# Altium PCB Main.PcbDoc (part 6 of 7) (continued)
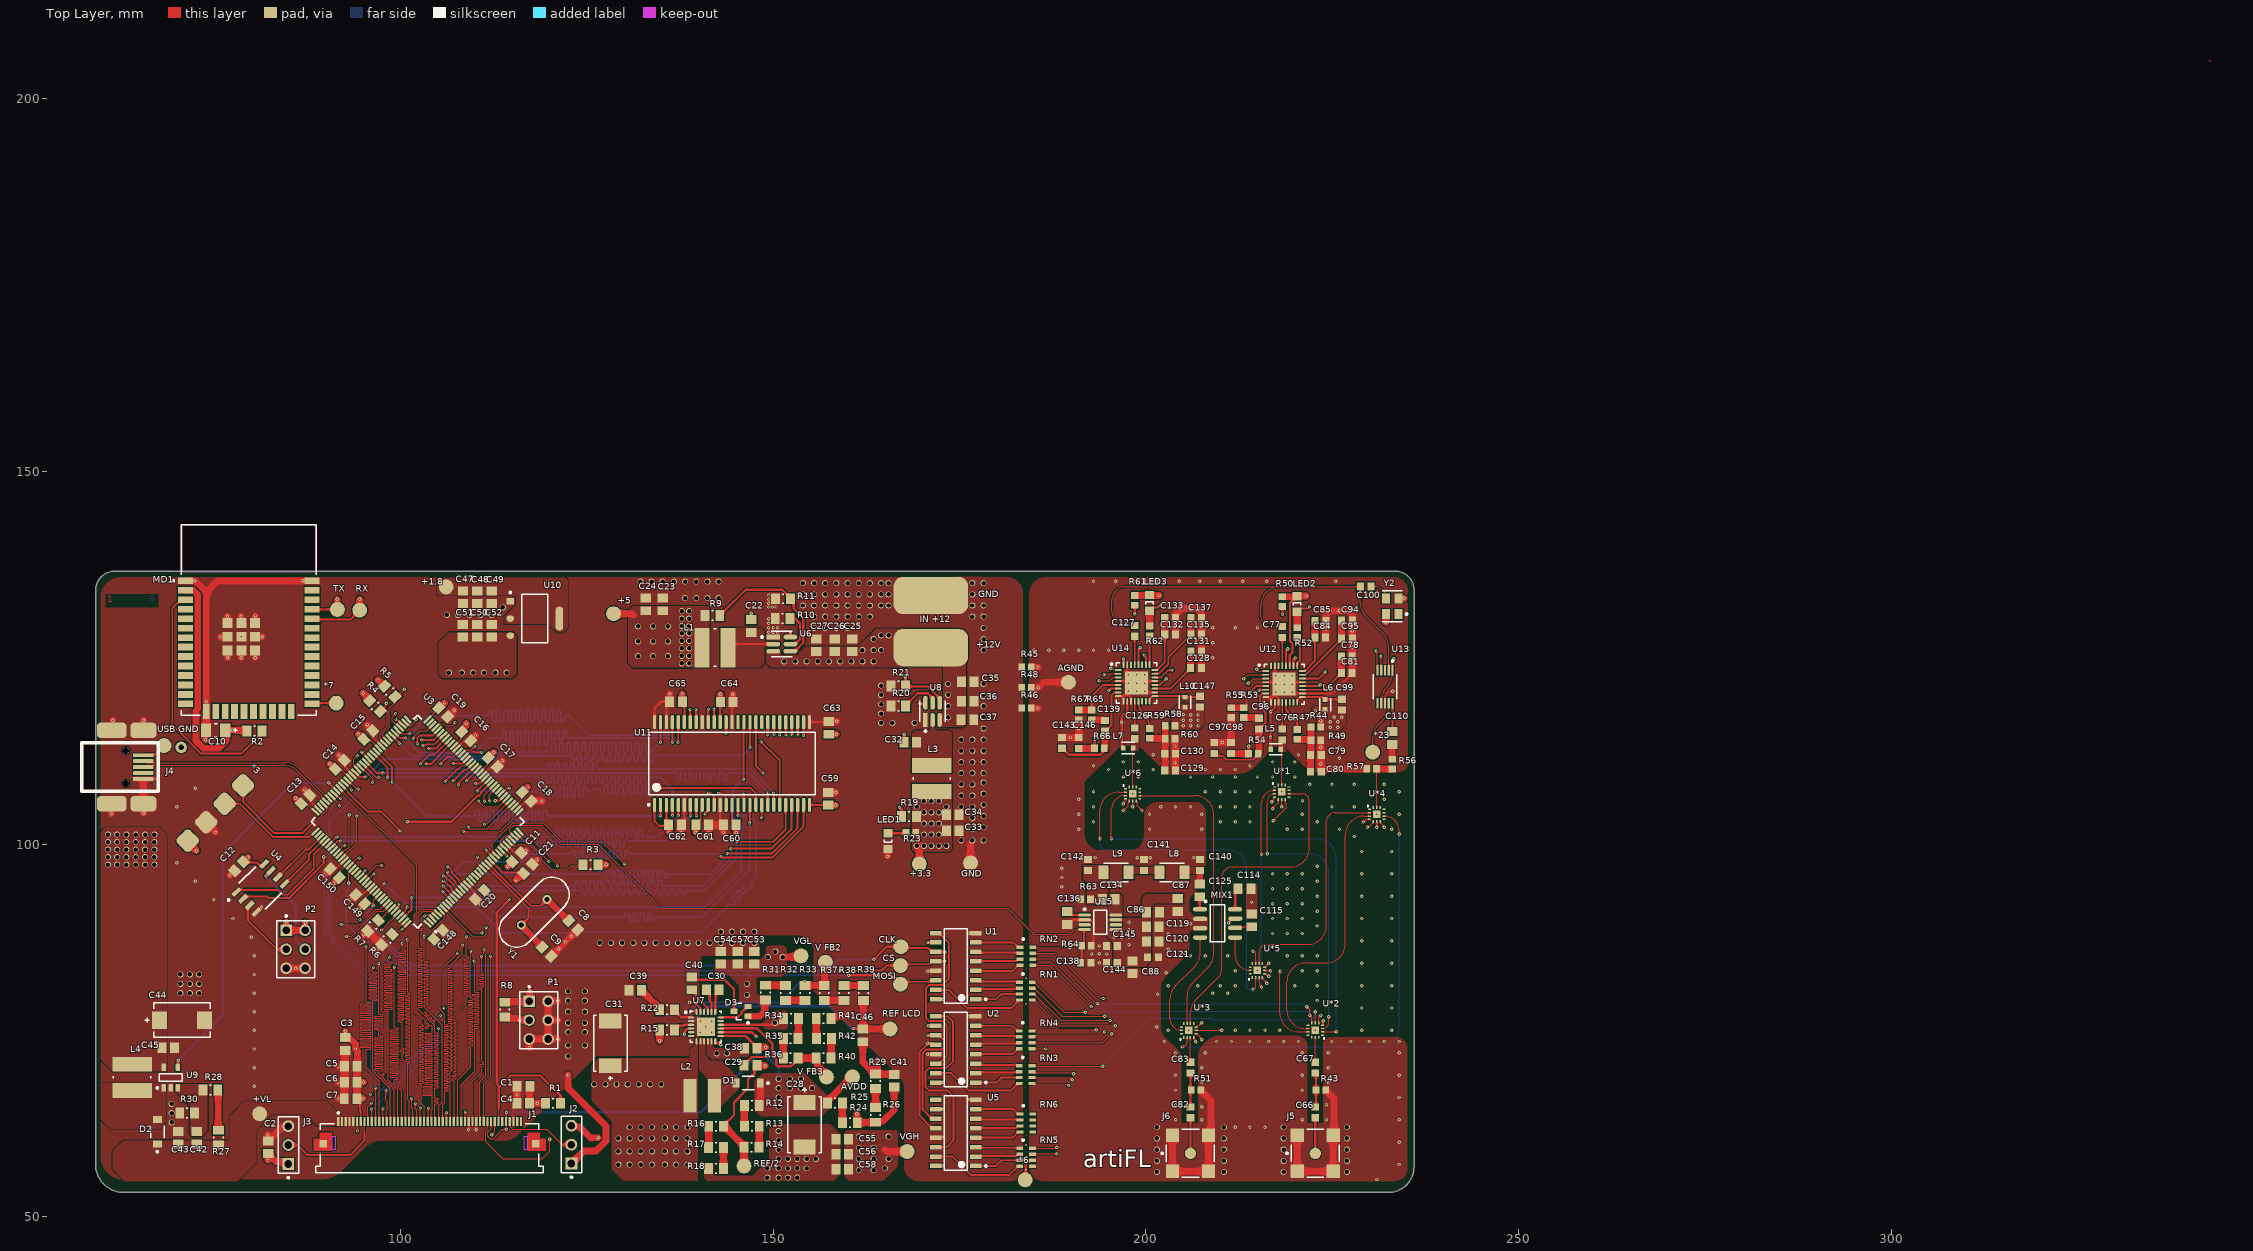
[diagram p0: Top Layer view]
## Nets (pads, with @x,y where several pads share a name; then routed paths per layer and width w, separated by ;. In a path a pad name is that pad's centre, name@x,y a point inside that pad or via, vN(x,y) a via of type N, cw(c..) or ccw(c..) an arc to the next point about the centre after c; other vN are vias at no path point) (continued)
SW_REF: R53.2 R55.1 U12.5 | length 6.6
  Top Layer w0.254: R53.2@213.146,118.277 213.196,118.277 213.519,118.6 213.519,119.807 214.92,121.208 215.794,121.208 215.8,121.202 U12.5@216.121,121.202
  Top Layer w0.9: R55.1@211.446,118.277 213.096,118.277 R53.2@213.146,118.277
SW_REF1: RN4.5 U*1.7 | length 64.4
  Top Layer w0.127: RN4.5@184.75,72.52 184.77,72.5 v1(186.6,72.5) ; v1(217.117,103.1) 218.863,104.846 218.863,105.293 218.7,105.456 U*1.7@218.7,106
  Signal 1 w0.127: v1(186.6,72.5) 186.973,72.873 186.973,97.715 189.018,99.759 215.601,99.759 217.117,101.276 v1(217.117,103.1)
SW_REF2: RN5.8 U*1.6 | length 78.4
  Top Layer w0.127: RN5.8@184.8,59.17 187.92,59.17 v1(188.05,59.3) ; v1(218.25,105) U*1.6@218.25,106
  Signal 1 w0.127: v1(188.05,59.3) 187.634,59.716 187.634,97.593 189.247,99.205 215.83,99.205 218.25,101.625 v1(218.25,105)
SW_REF3: RN5.7 U*1.5 | length 80.1
  Top Layer w0.127: RN5.7@184.8,58.37 184.855,58.425 v1(188.025,58.425) ; v1(217,104.75) 217.8,105.55 U*1.5@217.8,106
  Signal 1 w0.127: v1(188.025,58.425) 187.25,59.2 187.25,97.6 189.132,99.482 215.716,99.482 217.875,101.642 217.875,103.875 v1(217,104.75)
SW_RF1: RN1.5 U*3.7 | length 25.4
  Top Layer w0.127: RN1.5@184.775,79.07 184.82,79.025 184.92,79.125 188.42,75.625 v1(195.925,75.625) ; U*3.7@206.75,75.45 206.848,75.45 207.104,75.706 207.206,75.706 v1(207.5,76)
  Signal 1 w0.127: v1(195.925,75.625) 200.125,75.625 200.542,76.042 207.457,76.042 v1(207.5,76)
SW_RF2: RN2.8 U*3.6 | length 34.8
  Top Layer w0.127: RN2.8@184.825,86.145 184.864,86.106 v1(189.819,86.106) ; U*3.6@206.75,75 206.762,75.013 210.188,75.013 v1(210.2,75.025)
  Signal 1 w0.127: v1(189.819,86.106) 189.819,85.206 192.9,82.125 204.525,82.125 210.2,76.45 v1(210.2,75.025)
SW_RF3: RN2.7 U*3.5 | length 31.9
  Top Layer w0.127: RN2.7@184.825,85.345 187.83,85.345 193.9,79.275 v1(194.313,79.275) ; U*3.5@206.75,74.55 206.848,74.55 207.438,73.959 207.438,73.812 v1(207.5,73.75)
  Signal 1 w0.127: v1(194.313,79.275) 205.925,79.275 208.675,76.525 208.675,74.925 v1(207.5,73.75)
SW_SI1: RN4.8 U*4.7 | length 79.6
  Top Layer w0.127: RN4.8@184.75,74.92 184.905,75.075 v1(193.375,75.075) ; U*4.7@231.45,103 231.45,102.902 231.706,102.646 231.706,102.544 v1(232,102.25)
  Signal 1 w0.127: v1(193.375,75.075) 193.375,74.908 197.585,70.698 228.357,70.698 232,74.341 v1(232,102.25)
SW_SI2: RN4.7 U*4.6 | length 78.6
  Top Layer w0.127: RN4.7@184.75,74.12 184.911,74.281 193.957,74.281 v1(194.475,74.8) ; v1(231,102.25) U*4.6@231,103
  Signal 1 w0.127: v1(194.475,74.8) 194.475,74.758 198.258,70.975 228.242,70.975 231,73.733 v1(231,102.25)
SW_SI3: RN4.6 U*4.5 | length 77.4
  Top Layer w0.127: RN4.6@184.75,73.32 194.22,73.32 v1(195.45,74.55) ; v1(229.75,102.25) 229.812,102.312 229.959,102.312 230.55,102.902 U*4.5@230.55,103
  Signal 1 w0.127: v1(195.45,74.55) 198.748,71.252 226.977,71.252 229.75,74.025 v1(229.75,102.25)
SWCLK: *3.3 U3.109 | length 14.4
  Top Layer w0.127: 87.75,100.925 88.499,101.674 U3.109@88.625,101.674
  Top Layer w0.254: *3.3@76.425,105.4 78.45,105.4 82.925,100.925 87.75,100.925
SWDIO: *3.4 U3.105 | length 17.5
  Top Layer w0.127: 88.425,103.075 88.701,103.075 90.196,104.57 90.196,104.789 89.685,105.3 U3.105@89.685,105.386
  Top Layer w0.254: *3.4@78.9,107.875 78.9,105.675 83.1,101.475 86.825,101.475 88.425,103.075
SWITCH_SHIFT: CS.1 U1.12 U2.12 U3.88 U5.12 | length 137.6
  Top Layer w0.127: v1(94.8,112.35) 94.8,112.321 95.607,111.515 U3.88@95.665,111.515
  Top Layer w0.254: CS.1@167.1,83.695 167.275,83.87 170.945,83.87 171.325,84.25 U1.12@171.8,84.25 171.81,84.26 173.015,84.26 v1(173.025,84.27) ; U5.12@171.8,61.885 171.325,61.885 169.667,63.543 169.667,72.115 170.75,73.198 v1(170.75,73.25) 171.47,73.25 171.72,73 U2.12@171.8,73.08
  Top Layer w0.305: v1(159,83) 159.025,83.025 164.599,83.025 165.268,83.695 CS.1@167.1,83.695
  Signal 1 w0.254: v1(94.58,89.879) 94.58,89.895 88.975,95.5 88.975,104.525 95.225,110.775 95.225,111.925 v1(94.8,112.35) ; v1(170.75,73.25) 170.75,73.255 169.725,74.28 169.725,79.195 173.025,82.495 v1(173.025,84.27)
  Bottom Layer w0.254: v1(94.58,89.879) 101.459,83 v1(159,83)
TX_ESP32: MD1.35 TX.1 U3.137 | length 60.9
  Top Layer w0.127: v1(92.75,87.6) 93.477,87.6 96.835,90.958 97.707,90.958 U3.137@98.524,91.775
  Top Layer w0.254: MD1.35@88.165,131.5 88.19,131.475 TX.1@91.55,131.475
  Top Layer w0.9: TX.1@91.55,131.475 v1(91.55,132.825)
  Signal 1 w0.35: v1(91.55,132.825) 91.55,117.45 88.023,113.923 88.023,92.302 92.725,87.6 v1(92.75,87.6)
USB_D_N: J4.2 U3.103 | length 26.8
  Top Layer w0.127: J4.2@65.5,111.125 ccw(c65.968,111.593) 65.968,110.931 84.429,110.931 cw(c84.429,108.213) 86.351,110.135 U3.103@90.393,106.094
USB_D_P: J4.3 U3.104 | length 26.6
  Top Layer w0.127: J4.3@65.5,110.325 cw(c66.043,109.782) 66.043,110.55 84.349,110.55 cw(c84.349,107.893) 86.228,109.772 89.387,106.613 cw(c89.173,106.4) 89.475,106.4 ccw(c89.707,106.4) 89.543,106.236 U3.104@90.039,105.74
V_COM: C41.2 R24.2 R26.2 U7.14 | length 32.8
  Top Layer w0.305: U7.14@142.975,74.75 147.175,74.75 v1(147.75,74.175)
  Top Layer w0.9: v1(161.25,63.8) 161.25,62.65 R24.2@161.3,62.6 161.338,62.637 163.712,62.637 R26.2@163.75,62.675 163.9,62.825 164.75,62.825 166.275,64.35 C41.2@166.275,67.375
  Signal 1 w0.35: v1(147.75,74.175) 150.656,74.175 161.031,63.8 v1(161.25,63.8)
V_FB2: "V FB2.1" R33.1 R37.2 U7.24 | length 24.1
  Top Layer w0.305: v1(138.925,77.575) 139.65,77.575 U7.24@139.75,77.475 ; v1(154.25,81.5) 154.25,81.05 R33.1@154.275,81.025
  Top Layer w0.9: R33.1@154.275,81.025 R37.2@156.875,81.025 156.95,81.1 156.95,84.075 157.025,84.15
  Bottom Layer w0.305: v1(138.925,77.575) 140.1,78.75 150.9,78.75 153.65,81.5 v1(154.25,81.5)
V_FB3: "V FB3.1" R36.1 R40.2 U7.15 | length 19.9
  Top Layer w0.305: U7.15@142.975,75.25 142.983,75.258 143.464,75.258 143.481,75.275 147.85,75.275 149.881,73.244 149.881,71.669 150.423,71.127 150.423,70.404 150.629,70.198 152.423,70.198 153.375,71.15 R36.1@153.375,71.275
  Top Layer w0.9: R36.1@153.497,71.153 153.497,71.247 153.525,71.275 R40.2@155.8,71.275 155.95,71.125 155.95,70.273 157.175,69.048 157.175,68.75
VCOM_LCD: C38.2 J1.6 J1.46 U7.13 | length 68.8
  Top Layer w0.127: J1.6@94.175,62.775 94.212,62.737 94.212,61.537 v1(94.25,61.5) ; J1.46@114.175,62.775 114.213,62.812 114.213,63.963 v1(114.25,64)
  Top Layer w0.305: U7.13@142.975,74.25 146.3,74.25 147.875,72.675 C38.2@147.875,72.6
  Top Layer w0.9: C38.2@147.875,72.575 147.875,72.6 148.025,72.75 v1(149,72.75)
  Signal 1 w0.127: v1(94.25,61.5) 101.669,61.5 103.169,63 110.5,63 111.5,64 v1(114.25,64)
  Bottom Layer w0.35: v1(114.25,64) 140.25,64 v1(149,72.75)
VGH_LCD: C55.2 C56.2 C58.2 J1.41 R34.2 U7.16 VGH.1 | length 26.4
  Top Layer w0.127: J1.41@111.675,62.775 111.675,61.676 111.43,61.431 111.43,60.07 113.75,57.75 119.025,57.75 120.05,58.775 v1(120.05,60.375)
  Top Layer w0.305: U7.16@142.975,75.75 150.675,75.75 151.4,76.475 R34.2@151.4,76.6
  Top Layer w0.9: 165,59 165.25,58.75 VGH.1@168,58.75
  other v2: 161.5,56.25 163.5,56.25 165,56.5 161.5,57.75 163.5,57.75 165.5,57.75 161.5,59.25 163.5,59.25 161.5,60.75 163.5,60.75 165.5,60.75 150.25,76
VGL_LCD: C53.2 C54.2 C57.2 D3.1 J1.42 R31.2 VGL.1 | length 12
  Top Layer w0.127: J1.42@112.175,62.775 112.175,61.784 111.707,61.316 111.707,60.775 112.025,60.457 112.475,60.457 113.5,61.483 113.5,61.5 113.75,61.75 v1(114.25,61.75)
  Top Layer w0.9: D3.1@146.65,76.9 148.25,76.9 148.875,77.525 148.875,78.95 R31.2@148.975,79.05 ; v2(151.275,84.825) 153.575,84.825 VGL.1@153.75,85
  other v2: 146.5,79.75 146.5,81.25 149.3,84.825 150.325,85.575
VTUNE_HET: C146.2 R66.2 U14.20 | length 20.8
  Top Layer w0.254: R66.2@193.123,112.826 193.123,113.951 v1(193.198,114.026) ; U14.20@201.223,121.351 201.225,121.353 201.907,121.353 v1(202.735,122.181)
  Top Layer w0.9: C146.2@191.023,112.826 R66.2@193.123,112.826
  Signal 1 w0.254: v1(193.198,114.026) 193.198,115.526 195.273,117.601 201.273,117.601 202.735,119.063 v1(202.735,122.181)
VTUNE_REF: C98.2 R54.2 U12.20 | length 20.6
  Top Layer w0.254: R54.2@213.796,112.127 213.821,112.152 v1(213.821,113.102) ; U12.20@221.021,121.202 223.246,121.202 v1(223.421,121.377)
  Top Layer w0.9: C98.2@211.446,112.152 211.471,112.127 211.996,112.127 R54.2@213.796,112.127
  Signal 1 w0.254: v1(213.821,113.102) 213.821,115.227 215.496,116.902 219.896,116.902 222.109,119.115 223.396,120.402 223.396,121.352 v1(223.421,121.377)
VVCO1: C147.1 L10.1 U14.16 U14.17 | length 7.3
  Top Layer w0.254: U14.16@200.523,119.151 200.523,119.472 200.9,119.849 201.221,119.849 U14.17@201.223,119.851 U14.17@201.223,119.851 205.125,119.849 L10.1@205.273,119.701 207.148,119.701 C147.1@207.273,119.826
VVCO2: C99.1 L6.1 U12.16 U12.17 | length 6.6
  Top Layer w0.254: U12.16@220.321,119.002 220.321,119.323 220.7,119.702 U12.17@221.021,119.702 223.721,119.702 224.046,119.377 L6.1@224.071,119.377
  Top Layer w0.305: L6.1@224.071,119.377 226.271,119.377 C99.1@226.321,119.427
pads on no net: J1.45 J1.49 J1.50 J1.MP1 J1.MP2 J4.4 J4.X J4.Y MD1.4 MD1.5 MD1.6 MD1.7 MD1.8 MD1.9 MD1.10 MD1.11 MD1.12 MD1.13 MD1.14 MD1.16 MD1.17 MD1.18 MD1.19 MD1.20 MD1.21 MD1.22 MD1.23 MD1.24 MD1.26 MD1.27 MD1.28 MD1.29 MD1.30 MD1.31 MD1.32 MD1.33 MD1.36 MD1.37 RN5.5 RN6.5 RN6.6 RN6.7 RN6.8 U3.1 U3.2 U3.9 U3.18 U3.19 U3.20 U3.21 U3.28 U3.45 U3.71 U3.73 U3.80 U3.87 U3.106 U3.110 U3.116 U3.124 U3.125 U3.129 U3.134 U3.135 U5.9 U7.5 U7.6 U7.17 U11.36 U11.40 U12.14 U12.15 U12.30 U13.3 U13.6 U14.14 U14.15 U14.30 U15.3 U15.6 U*1.1 U*1.8 U*1.10 U*1.11 U*1.12 U*1.14 U*2.1 U*2.8 U*2.11 U*2.12 U*2.14 U*3.1 U*3.8 U*3.11 U*3.12 U*3.14 U*4.1 U*4.8 U*4.10 U*4.11 U*4.12 U*4.14 U*5.1 U*5.8 U*5.11 U*5.12 U*5.14 U*6.1 U*6.8 U*6.10 U*6.11 U*6.12 U*6.14 Y2.1
copper on no net: | length 0.3
  Top Layer w0.127: 342.625,205.225 342.825,205.025

## Polygon pours and split planes (outlines as drawn)
AGND on GND "GND-AGND" (solid, pour order 310): 186.325,135.55 184.4,133.625 184.4,56.7 186.375,54.725 233.325,54.725 235.075,56.475 235.075,133.65 233.175,135.55
+5 on GND "GND-+5" (solid, pour order 304): 185.6,135.475
GND on GND "GND-GND" (solid, pour order 260): 59.825,133.65 61.95,135.775 181.775,135.775 183.902,133.648 183.902,56.602 182.075,54.775 63.05,54.775 59.775,58.05 59.775,85.55
GND on GND "GND_L03_P012" (solid, pour order 12): 167.306,111.475
AGND on Top Layer "Top Layer-AGND" (solid, pour order 324): 184.4,108.325 184.4,56.7 ccw(c186.375,56.7) 186.375,54.725 233.325,54.725 ccw(c233.325,56.5) 235.1,56.5 235.1,62.5 204.775,62.5 204.775,71.085 ccw(c202.868,71.085) 204.216,72.434 202.572,74.078 cw(c203.955,75.46) 202,75.46 202,80.55 cw(c204.414,80.55) 202.707,82.257 205.096,84.646 ccw(c203.277,86.466) 205.85,86.466 205.85,92.348 cw(c206.82,92.348) 206.134,93.034 207.254,94.154 ccw(c205.392,96.016) 208.025,96.016 208.025,104.225 ccw(c206.625,104.225) 206.625,105.625 201.625,105.625 ccw(c201.625,103.775) 199.775,103.775 199.775,101.05 cw(c197.875,101.05) 197.875,99.15 193.975,99.15 cw(c193.975,101.35) 191.775,101.35 191.775,108.325
GND on Top Layer "Top Layer-GND 15" (solid, pour order 318): 62.505,135.778 181.397,135.778 cw(c181.397,133.65) 183.525,133.65 183.525,56.5 cw(c181.8,56.5) 181.8,54.775 169.582,54.775 cw(c169.582,56.753) 167.603,56.753 167.603,67.228 ccw(c165.43,67.228) 166.967,68.765 155.475,80.257 155.475,85.4 ccw(c153.123,85.4) 153.123,87.752 144.056,87.752 ccw(c144.056,84.665) 141.873,86.848 141.285,86.26 ccw(c144.088,83.457) 140.124,83.457 140.124,73.124 138.578,71.578 126.353,71.578 115.764,60.989 cw(c113.868,62.885) 113.868,60.203 97.58,60.203 ccw(c97.58,56.82) 95.187,59.212 92.128,56.153 cw(c89.353,58.928) 89.353,55.003 62.822,55.003 cw(c62.822,57.997) 59.828,57.997 59.828,100.628 59.803,100.628 59.828,133.104 cw(c62.505,133.102)
AGND on Top Layer "Top Layer-AGND 5" (solid, pour order 320): 186.55,135.775 233.35,135.775 cw(c233.35,133.975) 235.15,133.975 235.15,110.7 cw(c234.175,110.7) 234.175,109.725 221.975,109.725 218.964,112.736 ccw(c217.899,111.67) 217.899,113.177 ccw(c217.898,112.085) 217.126,112.857 214.77,110.501 cw(c212.052,113.219) 212.051,109.375 202.125,109.375 202.125,110.175 199.53,112.77 ccw(c198.553,111.794) 198.553,113.175 197.274,113.175 ccw(c197.274,111.488) 196.081,112.681 191.7,108.3 184.4,108.3 184.4,133.625 cw(c186.55,133.625)
AGND on Top Layer "Top Layer-AGND 4" (solid, pour order 326): 207.636,73.011 208.249,73.624 cw(c209.76,72.114) 209.76,74.25 220.35,74.25 cw(c220.35,72.9) 221.7,72.9 221.7,62.3 223.8,62.3 223.8,73.075 cw(c224.775,73.075) 224.775,74.05 233.7,74.05 cw(c233.7,72.675) 235.075,72.675 235.075,56.525 235.1,56.5 233.35,54.75 207.05,54.75 207.05,71.596 cw(c209.05,71.596)
AGND on Top Layer "Top Layer-AGND 6" (solid, pour order 294): 200.15,54.975 228.375,54.975 228.375,62.55 200.15,62.55
AGND on Top Layer "Top Layer-AGND 2" (solid, pour order 246): 188.475,93.075 188.2,92.8 188.2,89.125 188.6,88.725 192.5,88.725 192.95,88.275 192.95,86.825 194.55,86.825 194.6,86.775 194.6,89.95 194.9,90.25 194.9,91.5 194.675,91.725 192.025,91.725 191.75,92 191.75,93.075
GND on Top Layer "Top Layer-GND" (solid, pour order 144): 69.5,60.85 68.9,61.45 68.9,69.15 69.125,69.375 69.125,82.85 70.05,83.775 73.525,83.775 74.725,82.575 74.7,82.55 74.7,73.25 69.5,68.05 69.5,66.775 71,65.275 71,60.95 70.9,60.85
AGND on Top Layer "Top Layer-AGND 7" (solid, pour order 322): 214.075,111.45
+5 on Top Layer "Top Layer-+5 9" (solid, pour order 292): 200.7,89.575 200.7,91.55 201.225,92.075 205,92.075 205,93.275 200,93.275 199.525,92.8 199.525,89.925
AGND on Top Layer "Top Layer-AGND 8" (solid, pour order 290): 201.2,89.6 201.2,91.575 205.225,91.575 207.2,89.6
NetC126_2 on Top Layer "Top Layer-NetC126_2" (solid, pour order 288): 198,114.6 199.05,114.6 199.05,112.525 198,112.525
AGND on Top Layer "Top Layer-AGND 9" (solid, pour order 286): 213.55,90.025 213.5,90.075 213.5,94.7 214.7,94.7 214.95,94.45 214.95,90.025
AGND on Top Layer "Top Layer-AGND 10" (solid, pour order 284): 201.225,85.325 201.2,85.35 201.2,89.6 201.85,90.25 208.325,90.25 208.325,88.425 205.925,88.425 204.025,86.525 204.025,84.55 203.775,84.3 201.275,84.3
AGND on Top Layer "Top Layer-AGND 11" (solid, pour order 282): 201.275,84.3 200.225,83.25 195.55,83.25 195.225,83.575 192.2,83.575 192.2,82.825 193,82.025 202.45,82.025 202.45,84.375
NetC134_2 on Top Layer "Top Layer-NetC134_2" (solid, pour order 276): 191.6,97.125 191.6,95.35 192.15,94.8 192.15,93.3 194.8,93.3 195,93.5 195,97.125
AGND on Top Layer "Top Layer-AGND 12" (solid, pour order 274): 207.775,97.95 207.775,98.425 189.325,98.425 188.2,97.3 188.2,92.8 190.95,92.8 190.95,94.725 190.95,97.15 191.75,97.95
+3.3 on Top Layer "Top Layer-+3.3 4" (solid, pour order 258): 207.773,118.851 207.773,115.976 207.173,115.376 203.473,115.376 203.473,117.901 204.423,118.851
AGND on Top Layer "Top Layer-AGND 1" (solid, pour order 248): 195.025,88.525
NetC134_2 on Top Layer "Top Layer-NetC134_2 1" (solid, pour order 244): 194.8,93.3 194.8,91.9 192.15,91.9 192.15,93.3
NetC134_1 on Top Layer "Top Layer-NetC134_1" (solid, pour order 242): 195.05,90.575 195.05,93.3 196.5,93.3 196.85,92.95 196.85,90.475 cw(c196.625,90.475) 196.625,90.25 195.375,90.25 cw(c195.375,90.575)
+5 on Top Layer "Top Layer-+5 8" (solid, pour order 238): 195.7,83.55 199.95,83.55 200.7,84.3 200.7,89.575 200.225,90.05 195.05,90.05 194.75,89.75 194.75,87.65 195.7,86.7
AGND on Top Layer "Top Layer-AGND 3" (solid, pour order 236): 195.175,86.85 195.2,86.825 195.2,83.575 192.2,83.575 192.2,86.85
NetC125_2 on Top Layer "Top Layer-NetC125_2" (solid, pour order 234): 204.525,96 204.525,96.95 207.8,96.95 207.8,96
NetC141_2 on Top Layer "Top Layer-NetC141_2" (solid, pour order 232): 202.525,96 202.525,96.95 197.025,96.95 197.025,96
NetC134_2 on Top Layer "Top Layer-NetC134_2 2" (solid, pour order 226): 195.025,95.3 195.025,97.1 191.625,97.1 191.625,95.325
NetC76_2 on Top Layer "Top Layer-NetC76_2" (solid, pour order 220): 217.796,114.452 218.846,114.452 218.846,112.352 217.796,112.352
no net on Top Layer "Top Layer-No Net 3" (solid, pour order 218): 217.796,114.452
+3.3 on Top Layer "Top Layer-+3.3 5" (solid, pour order 212): 226.821,118.452 222.546,118.452 222.321,118.227 222.321,117.252 223.021,116.552 223.021,115.252 223.871,115.252 223.921,115.202 226.021,115.202 226.821,116.002
GND on Top Layer "Top Layer-GND 10" (solid, pour order 210): 148.25,86.75 148.25,85 135.15,85 131.25,81.1 120.075,81.1 120.075,83.925 119.25,84.75 123.75,89.25 147.1,89.25 148.175,88.175 148.175,85.35
VGH_LCD on Top Layer "Top Layer-VGH_LCD" (solid, pour order 204): 159.6,55.425 160.175,54.85 164.8,54.85 166.7,56.75 166.7,61.425 166.525,61.6 159.925,61.6 159.6,61.275
VGH_LCD on Top Layer "Top Layer-VGH_LCD 1" (solid, pour order 198): 151.975,77.3 151.975,75.425 151.725,75.175 149.025,75.175 148.525,75.675 148.525,75.925 150.2,77.6 151.7,77.6 152,77.3
VGL_LCD on Top Layer "Top Layer-VGL_LCD" (solid, pour order 196): 148,78.475 147.725,78.75 145.5,78.75 145.5,80.975 144,82.475 142.675,82.475 142.275,82.875 142.275,84.5 148.25,84.5 149,85.25 149,86.155 149.195,86.35 151.43,86.35 151.825,85.955 151.825,82.8 151.2,82.175 148.525,82.175 148.475,82.125 148,82.125 147.725,81.85 147.725,80.05 148.15,79.625 149.675,79.625 149.675,78.5 149.7,78.475
GND on Top Layer "Top Layer-GND 11" (solid, pour order 192): 140.75,57.175 140.75,55.275 141.175,54.85 158.125,54.85 159.025,55.75 159.025,61.05 157.65,62.425 150.25,62.425 149.525,61.7 149.525,57.725 147.275,55.475 142.2,55.475 141.95,55.725 141.95,57.175
AVDD_LCD on Top Layer "Top Layer-AVDD_LCD" (solid, pour order 190): 140.75,57.175
AVDD_LCD on Top Layer "Top Layer-AVDD_LCD 1" (solid, pour order 188): 147.85,68.475 148.6,69.225 154.275,69.225 157.5,66 157.5,64.425 156.55,63.475 148.35,63.475 147.5,64.325 147.5,68.175 147.55,68.225 148.675,69.35
GND on Top Layer "Top Layer-GND 12" (solid, pour order 186): 141.1,73.825 141.1,71.8 141.75,71.15 145.1,71.15 145.425,71.475 146.6,71.475 146.775,71.65 146.775,73.275 144.95,73.275 144.275,72.6 142.2,72.6 141.875,72.925 141.875,73.825
GND on Top Layer "Top Layer-GND 13" (solid, pour order 184): 139.05,76.4 133.775,76.4 131.25,78.925 131.25,81.1 120.075,81.1 118.65,79.675 118.65,75.575 117.95,74.875 115.75,74.875 115.4,74.525 115.4,71.3 115.975,70.725 125.1,70.725 126.15,71.775 131.85,71.775 133.725,73.65 133.725,75.95 133.9,76.125 139.175,76.125
NetD1_2 on Top Layer "Top Layer-NetD1_2" (solid, pour order 182): 141.25,64 142.25,64 145.475,67.225 145.475,68.525 143.05,70.95 141.575,70.95 140.875,71.65 140.875,73.85 ccw(c140.8,73.85) 140.8,73.925 140.2,73.925 ccw(c140.2,73.85) 140.125,73.85 140.125,69.625 141.25,68.5
+5 on Top Layer "Top Layer-+5 6" (solid, pour order 178): 139.6,73.525 139.6,73.175 138.825,72.4 138.825,71.1 139.1,70.825 139.9,70.825 139.9,72.95 139.9,73.525
+5 on Top Layer "Top Layer-+5 7" (solid, pour order 176): 128.35,56.375 128.35,62.825 125.65,65.525 125.65,70.35 126.55,71.25 139.55,71.25 139.9,70.9 139.9,54.825 129.9,54.825
+1.8 on Top Layer "Top Layer-+1.8" (solid, pour order 170): 115.225,131.8 114,130.575 114,129.525 119.825,129.525 120.95,128.4 121.8,128.4 122.525,129.125 122.525,135.3 122.1,135.725 104.95,135.725 104.95,133.495 105.1,133.375 105.525,133.375 115.225,133.375 115.525,133.075 115.525,132.075 115.225,131.775
GND on Top Layer "Top Layer-GND 14" (solid, pour order 168): 106.1,128.875 105.05,129.925 105.05,132.025 106,132.975 115.25,132.975 115.25,132.125 113.725,130.6 113.725,129.7 112.9,128.875
+3.3 on Top Layer "Top Layer-+3.3 3" (solid, pour order 164): 114.775,128.375 106.525,128.375 105.15,127 105.15,122.8 105.675,122.275 115,122.275 115.575,122.85 115.575,127.9 115.075,128.4 114.7,128.4
+VL on Top Layer "Top Layer-+VL" (solid, pour order 154): 83.55,68.125
+VL on Top Layer "Top Layer-+VL 1" (solid, pour order 152): 62.825,60.2 61.4,58.775 61.4,56.425 63.05,54.775 78.175,54.775 80.575,57.175 80.575,61.55 82.8,63.775 86.827,63.775 88.9,62.175 91.525,62.175 92.325,62.175 92.325,63.275 90.075,65.525 79.125,65.525 77.175,63.575 77.175,60.55 76.825,60.2
NetC42_1 on Top Layer "Top Layer-NetC42_1" (solid, pour order 150): 72,60.85 71.8,61.05 71.8,64.875 69.85,66.825 69.85,67.775 74.05,67.775 74.1,67.725 74.1,61.55 73.4,60.85
NetD2_2 on Top Layer "Top Layer-NetD2_2" (solid, pour order 142): 68.5,67.75 68.3,67.95 59.8,67.95 59.8,63.075 61.05,61.825 67.775,61.825 68.525,62.575 68.5,62.6
+5 on Top Layer "Top Layer-+5" (solid, pour order 138): 68.5,67.75
+5 on Top Layer "Top Layer-+5 1" (solid, pour order 136): 68.5,67.75
+5 on Top Layer "Top Layer-+5 2" (solid, pour order 134): 61.4,69.5 59.8,71.1 59.8,101.6 60.5,102.3 67.6,102.3 68.7,101.2 68.7,69.5
GND on Top Layer "Top Layer-GND 1" (solid, pour order 126): 91.875,65.15 91.875,64.025 92.65,63.25 93.825,63.25 93.825,64.4 93.075,65.15
GND on Top Layer "Top Layer-GND 2" (solid, pour order 124): 91.875,65.15
GND on Top Layer "Top Layer-GND 3" (solid, pour order 122): 91.875,65.15
GND on Top Layer "Top Layer-GND 4" (solid, pour order 118): 175.15,130.975 177.2,128.925 177.2,123.875 176.35,123.025 176.35,115.725 174.35,113.725 174.35,99.4 174.775,98.975 178.55,98.975 178.925,99.35 178.925,134.85 177.95,135.825 174.225,135.825
GND on Top Layer "Top Layer-GND 5" (solid, pour order 116): 170.65,117.575 166.625,117.575 166.4,117.8 166.4,121.925 164.325,121.925 163.9,121.5 163.9,116.025 164.2,115.725 170.7,115.725
+12 on Top Layer "Top Layer-+12" (solid, pour order 114): 172.325,115.725 175.55,115.725 175.875,116.05 175.875,124.45 173.225,124.45 172.85,124.075 172.85,117.8 172.6,117.55 172.35,117.55
NetC32_2 on Top Layer "Top Layer-NetC32_2" (solid, pour order 112): 168.675,111.525 168.675,114.875 169.025,115.225 170.9,115.225 171.1,115.425 171.1,116.075 171.675,116.075 171.7,116.1 171.7,115.45 171.925,115.225 173.625,115.225 173.95,114.9 173.95,111.525
+3.3 on Top Layer "Top Layer-+3.3" (solid, pour order 110): 168.675,111.525
+3.3 on Top Layer "Top Layer-+3.3 1" (solid, pour order 108): 168.675,111.525
+3.3 on Top Layer "Top Layer-+3.3 2" (solid, pour order 106): 168.65,106.05 168.65,99.25 168.925,98.975 173.575,98.975 173.95,99.35 173.95,106.075
no net on Top Layer "Top Layer-No Net 2" (solid, pour order 104): 168.65,106.05
GND on Top Layer "Top Layer-GND 6" (solid, pour order 102): 131.3,132.4 130.6,133.1 130.6,135.2 131.1,135.7 153.425,135.7 153.425,134.15 151.95,134.15 151.6,134.5 145.9,134.5 143.8,132.4
+5 on Top Layer "Top Layer-+5 3" (solid, pour order 96): 137.525,131.875 131.175,131.875 130.6,131.3 130.6,124.3 131.2,123.7 137.575,123.7
+5 on Top Layer "Top Layer-+5 4" (solid, pour order 94): 139.775,131.875 137.525,131.875 137,131.35 137,124.275 137.575,123.7 139.475,123.7
+12 on Top Layer "Top Layer-+12 1" (solid, pour order 92): 167.575,128.875 163.825,128.875 161.325,126.375 161.25,126.45 154.3,126.45 153.2,125.35 151.175,125.35 150.95,125.575 150.95,125.875 149.1,125.875 149.1,124.3 149.675,123.725 167.625,123.725
GND on Top Layer "Top Layer-GND 7" (solid, pour order 88): 167.3,130.875 167.275,130.85 165.225,130.85 161.3,126.925 161.275,126.95 154.5,126.95 154.5,130.625 153.475,131.65 153.425,131.65 153.425,135.7 168.925,135.7 168.975,135.65
GND on Top Layer "Top Layer-GND 8" (solid, pour order 84): 149.1,128.075 150.95,128.075 150.95,133.625 149.125,133.625
GND on Top Layer "Top Layer-GND 9" (solid, pour order 82): 149.1,128.075
+5 on Top Layer "Top Layer-+5 5" (solid, pour order 76): 139.45,129 139.45,131.6 139.75,131.9 139.775,131.875 141.3,131.875 141.45,131.725 141.45,128.725
NetC22_2 on Top Layer "Top Layer-NetC22_2" (solid, pour order 74): 144.925,123.725 148.275,123.725 148.85,124.3 148.85,126.425 148.95,126.525 149.4,126.525 149.4,127.125 148.925,127.125 148.85,127.2 148.85,128.575 148.425,129 144.925,129
no net on Top Layer "Top Layer-No Net 1" (solid, pour order 52): 149.725,127.15
no net on Top Layer "Top Layer-No Net" (solid, pour order 34): 115,64.5
GND on Top Layer "GND_L01_P016" (solid, pour order 16): 91.875,65.15
+3.3 on VCC "VCC-+3.3" (solid, pour order 308): 67.15,103.975 71.45,108.275 71.35,108.375 71.35,124.375 180.3,124.375 191.475,135.55 233.175,135.55 235.075,133.65 235.075,56.475 233.35,54.75 169.6,54.75 167.6,56.75 167.6,68.125 154.75,80.975 154.75,86.45 153.575,87.625 141.9,87.625 140,85.725 140,75.95 137.55,73.5 126.7,73.5 121.725,68.525 121.725,68.125 117.937,64.337 110.975,64.337 106.838,60.2 96.175,60.2 92,56.025 80.7,56.025 78.35,58.375 78.35,86.625 67.15,97.825
+3.3 on VCC "VCC-+3.3 1" (solid, pour order 270): 181.775,123.675 184.025,125.925 184.675,125.925 184.675,121.5 184.4,121.225 184.35,121.275 182.95,121.275
+3.3 on VCC "VCC-+3.3 2" (solid, pour order 264): 72.275,121.075
VGL_LCD on VCC "VCC-VGL_LCD" (solid, pour order 208): 142.302,84.15 147.85,84.15 149,85.3 149,86.155 149.195,86.35 151.43,86.35 151.825,85.955 151.825,82.275 151.25,81.7 147.475,81.7 147.475,75.475 138.85,66.85 128.05,66.85 122.85,61.65 114.1,61.65 113.5,62.25 113.5,63 119,63 127.5,71.5 139.25,71.5 142.302,74.552
VGH_LCD on VCC "VCC-VGH_LCD" (solid, pour order 206): 149.425,75.925 139.975,66.475 128.498,66.475 123.261,61 119.5,61 119.5,59.887 124.694,59.887 130.355,65.775 143.025,65.775 151.75,74.5 151.75,75.525 151.35,75.925
VGH_LCD on VCC "VCC-VGH_LCD 1" (solid, pour order 202): 150.75,77.25 149.025,75.525 149.025,75.175 151.725,75.175 151.725,74.025 160.125,65.625 160.125,56 165.25,56 166,56.75 166,67.25 156,77.25
AVDD_LCD on VCC "VCC-AVDD_LCD" (solid, pour order 200): 154.3,69.225 157.5,66.025 157.5,64.425 156.55,63.475 130.2,63.475 123.5,56.775 114.975,56.775 111.15,60.6 111.15,61.4 111.5,61.75 112.175,61.75 115.05,58.875 124.25,58.875 130.775,65.4 144.4,65.4 148.225,69.225
+5 on VCC "VCC-+5 1" (solid, pour order 174): 59.825,97.675 59.825,58 63.05,54.775 63.1,54.825 139.775,54.825 139.775,61.25 137.875,63.15 130.6,63.15 123.825,56.375 114.25,56.375 111.3,59.325 96.45,59.325 93.1,55.975 81.2,55.975 79.375,57.8 79.375,86.325 68,97.7
+5 on VCC "VCC-+5" (solid, pour order 132): 141.375,131.8 141.3,131.875 131.075,131.875 130,132.95 130,135.025 129.6,135.425 61.6,135.425 59.825,133.65 59.825,97.675 60.975,96.525 67.475,96.525 68.15,97.2 68.15,104.625 69.525,106 71.8,108.275 71.8,121.45 74.2,123.85 141.4,123.85
GND on VCC "VCC-GND" (solid, pour order 46): 78.65,76.4
GND on Bottom Layer "Bottom Layer-GND 1" (solid, pour order 312): 236,136.625 236,53.25 183.902,53.25 183.902,136.625
GND on Bottom Layer "Bottom Layer-AGND" (solid, pour order 328): 59.102,136.625 183.906,136.625 183.902,56.602 183.902,53.25 59.047,53.25
+5 on Bottom Layer "Bottom Layer-+5" (solid, pour order 302): 179.3,95.125 165.865,95.125 cw(c165.865,97.665) 163.325,97.665 163.325,120.185 ccw(c160.785,120.185) 160.785,122.725 138.89,122.725 cw(c138.89,125.265) 136.35,125.265 136.35,130.725 ccw(c135.25,130.725) 135.25,131.825 131.6,131.825 ccw(c131.6,130.85) 130.625,130.85 130.625,122.4 ccw(c132,122.4) 132,121.025 158.125,121.025 cw(c158.125,119) 160.15,119 160.15,92.65 ccw(c161.85,92.65) 161.85,90.95 179.3,90.95
+5 on Bottom Layer "Bottom Layer-+5 1" (solid, pour order 300): 212.25,95.1 212.25,85.915 cw(c209.71,85.915) 209.71,83.375 190.625,83.375 cw(c190.625,85.4) 188.6,85.4 188.6,88.725 ccw(c186.475,88.725) 186.475,90.85 178.35,90.85 cw(c178.35,91.7) 177.5,91.7 177.5,94.225 cw(c178.375,94.225) 178.375,95.1 209.735,95.1
AGND on Bottom Layer "Bottom Layer-AGND 1" (solid, pour order 296): 123.525,135.375
GND on Bottom Layer "Bottom Layer-GND" (solid, pour order 120): 91.875,65.15
AGND on Signal 1 (solid, pour order 332): 184.4,133.625 186.325,135.55 233.175,135.55 235.15,133.575 235.075,133.5 235.075,56.475 233.325,54.725 186.375,54.725 184.4,56.7
AGND on Signal 1 (solid, pour order 330): 184.5,133.75

## Other copper
Top Layer:
  pour cut-out: 183.525,133.86
  pour cut-out: 60.5,133.5 67.5,133.5 67.5,131.75 60.5,131.75
  pour cut-out: 60.5,133.5 67.5,133.5 67.5,131.75 60.5,131.75
  text "1" at 60.7,132.125 h1.52